# Allegro board WARP7_CPU_REV10_20151109_1600.brd (continued)
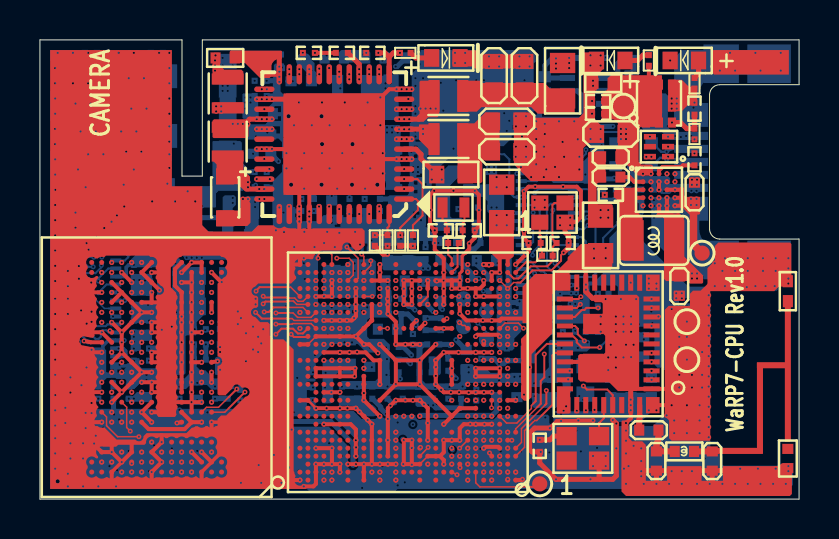
[diagram p0: board, top side]
## Routing (per net, layer and track width the routed paths; a pad name or vN(x,y) marks a point on that pad's centre or on a via; arc(x,y) is an arc through that point) (continued)
  ART02 w0.076: 5.99,9.02 5.91,9.02 5.82,9.11 4.49,9.11 4.34,9.26 4.34,9.94 3.43,10.85 v7(3.09,10.85)
  ART02 w0.102: 5.99,9.02 6.68,9.02 6.83,9.17 6.83,11.46 7.52,12.14 8.26,12.14 10.31,10.08 10.31,9.32 10.57,9.07 10.92,9.07 v7(11.23,9.37)
DRAM_DATA23: length 15.8
  ART02 w0.076: 3.84,12.14 3.84,11.71 3.94,11.61 4.24,11.61 4.34,11.51 4.34,11.25 4.09,11 v7(4.09,10.85)
  ART02 w0.102: 3.84,12.14 3.84,12.47 4.01,12.64 4.01,12.79 3.94,12.85 3.94,13 4.08,13.14 4.23,13.14 4.29,13.07 4.46,13.07 4.58,13.2 4.58,13.36 4.51,13.43 4.51,13.57 4.66,13.72 4.8,13.72 4.87,13.65 5.01,13.65 5.14,13.78 5.14,13.98 5.23,14.07 10.03,14.07 13.01,11.09 v7(13.01,9.35)
DRAM_DATA24: length 17.2
  TOP w0.076: U4.H11 4.34,4.6 4.34,3.58 v7(4.52,3.4)
  ART02 w0.076: v7(4.52,3.4) 4.52,3.2 4.93,2.79 4.93,2.69 5.01,2.61 5.25,2.61 5.35,2.71 5.35,3.05 5.19,3.21 5.19,3.34 5.28,3.43 5.41,3.43 5.84,3 5.84,2.69 5.92,2.61 7.33,2.61 7.41,2.69 7.41,2.84 7.49,2.92 7.72,2.92 7.8,2.84 7.8,2.69 7.88,2.61 8.28,2.61 8.36,2.69 8.36,2.87 8.41,2.92 8.56,2.92 8.64,2.84 8.81,2.84 8.89,2.92 9.35,2.92
  ART02 w0.102: v7(15.01,7.75) 14.73,7.47 14.73,7.29 14.66,7.21 14.05,7.21 13.92,7.09 13.92,6.53 10.54,3.15 9.58,3.15 9.35,2.92
DRAM_DATA25: length 17.2
  ART02 w0.076: v7(15.42,7.75) 15.42,7.75 15.57,7.9 15.57,8.13 15.42,8.28 15.09,8.28 14.8,7.99 13.93,7.99 13.79,7.85 ; 12.45,6.58 12.42,6.61 ; 9.31,3.9 8.98,3.9 8.92,3.84 8.92,3.63 8.85,3.57 7.94,3.57 7.85,3.66 7.85,3.86 7.75,3.96 7.09,3.96 6.91,4.14 6.68,4.14 6.58,4.24 6.58,4.42 6.48,4.52 6.48,4.72 6.4,4.8 6.12,4.8 5.98,4.66 5.78,4.66 5.71,4.6 3.35,4.6 v7(3.09,4.85)
  ART02 w0.102: 12.45,6.58 12.45,5.93 12.02,5.51 11.66,5.51 11.35,5.21 11.35,4.99 10.63,4.27 10.39,4.27 10.26,4.39 9.8,4.39 9.31,3.9 ; 12.42,6.61 12.24,6.78 12.24,6.99 12.34,7.09 13.03,7.09 13.79,7.85
DRAM_DATA26: length 18
  ART02 w0.076: 4.57,1.07 4.54,1.07 4.35,1.25 4.35,2.46 4.14,2.67 3.94,2.67 3.25,3.35 3.25,3.66 3.35,3.76 3.35,3.95 3.49,4.1 4.2,4.1 4.46,4.35 v7(4.59,4.35)
  ART02 w0.102: v7(15.01,6.95) 15.01,6.73 9.35,1.07 4.57,1.07
DRAM_DATA27: length 18.2
  ART02 w0.076: v7(3.59,4.35) arc(3.49,4.32) 3.4,4.27 arc(3.35,4.23) 3.3,4.19 arc(3.28,4.17) 3.26,4.15 arc(3.19,4.12) 3.12,4.11 arc(3.02,4.09) 2.93,4.04 2.91,4.01 arc(2.87,3.95) 2.85,3.87 2.85,3.71 arc(2.89,3.49) 3.02,3.31 3.14,3.18 3.73,2.59 arc(3.81,2.48) 3.84,2.34 3.84,1.32 arc(3.85,1.25) 3.89,1.19
  ART02 w0.102: v7(15.42,6.95) 15.34,6.82 arc(15.25,6.69) 15.15,6.58 9.47,0.9 arc(9.4,0.85) 9.32,0.84 4.6,0.84 arc(4.5,0.85) 4.39,0.88 4.18,0.97 arc(4.07,1.03) 3.98,1.1 3.89,1.19
DRAM_DATA28: length 17.2
  TOP w0.076: v7(4.95,3.12) 3.89,3.12 3.33,3.68 3.33,4.11 U4.G13
  ART02 w0.076: v7(4.95,3.12) 4.95,3.3 4.73,3.52 4.73,3.64 4.82,3.73 4.94,3.73 5.05,3.61 5.51,3.61 5.87,3.25
  ART02 w0.102: 5.87,3.25 5.97,3.15 6.3,3.15 6.4,3.05 6.4,2.9 6.47,2.82 6.71,2.82 6.78,2.9 6.78,3.05 6.86,3.12 9.12,3.12 9.37,3.38 9.73,3.38 9.91,3.56 10.08,3.56 10.26,3.38 10.46,3.38 13.06,5.97 13.06,6.17 12.88,6.34 12.88,6.51 13,6.62 13.16,6.62 13.38,6.4 13.51,6.4 13.64,6.53 13.64,6.68 13.49,6.83 13.49,6.99 13.97,7.47 14.45,7.47 14.61,7.63 v7(14.61,7.75)
DRAM_DATA29: length 17.2
  ART02 w0.076: v7(4.59,3.85) 4.44,3.85 4.37,3.93 4.37,4.01 4.47,4.11 4.7,4.11 4.78,4.19 4.9,4.19 5,4.09 5,3.91 5.13,3.78 5.26,3.78 5.33,3.86 5.33,4.06 5.38,4.11 5.76,4.11
  ART02 w0.102: 5.76,4.11 5.87,4.22 5.87,4.37 5.97,4.47 6.25,4.47 6.35,4.37 6.35,4.17 5.89,3.71 5.89,3.52 6.01,3.4 6.25,3.4 6.3,3.45 6.3,3.62 6.41,3.73 6.57,3.73 6.68,3.62 6.68,3.4 6.76,3.33 7.16,3.33 7.24,3.4 7.24,3.68 7.33,3.77 7.56,3.77 7.66,3.67 7.66,3.44 7.75,3.35 8.94,3.35 9.22,3.63 9.68,3.63 9.78,3.73 9.78,4.06 9.91,4.19 10.08,4.19 10.21,4.06 10.21,3.73 10.29,3.66 10.46,3.66 10.63,3.83 10.63,3.97 10.96,4.31 11.11,4.31 11.56,4.76 11.56,5.08 11.73,5.26 12.06,5.26 12.67,5.88 12.67,6.73 12.78,6.83 13.06,6.83 13.97,7.75 v7(14.22,7.75)
DRAM_DATA30: length 17.3
  ART02 w0.076: 8.83,2.1 5.79,2.1 5.71,2.17 5.71,2.5 5.63,2.59 5.5,2.59 5.41,2.5 5.41,2.17 5.33,2.1 4.97,2.1 4.75,2.31 4.75,2.69 4.24,3.2 4.24,3.45 4.17,3.53 3.89,3.53 3.84,3.58 3.84,3.78 3.9,3.85 v7(4.09,3.85)
  ART02 w0.102: v7(14.22,6.95) 14.22,6.53 10.63,2.95 10.44,2.95 10.34,2.85 10.34,2.63 10.22,2.51 10.1,2.51 10.01,2.61 10.01,2.82 9.9,2.92 9.76,2.92 9.65,2.82 9.65,1.99 9.54,1.88 9.43,1.88 9.27,2.03 9.27,2.63 9.17,2.73 8.99,2.73 8.89,2.63 8.89,2.16 8.83,2.1
DRAM_DATA31: length 17.3
  ART02 w0.076: 7.87,1.6 6.3,1.6 6.22,1.52 6.22,1.33 6.14,1.26 5.99,1.26 5.92,1.33 5.92,1.52 5.84,1.6 4.95,1.6 4.85,1.7 4.85,1.96 4.77,2.03 4.62,2.03 4.56,2.1 4.56,2.61 4.28,2.88 4.05,2.88 3.99,2.95 3.99,3.25 3.91,3.33 3.58,3.33 3.51,3.4 3.51,3.63 3.59,3.72 v7(3.59,3.85)
  ART02 w0.102: 7.87,1.6 7.98,1.5 7.98,1.38 8.09,1.27 8.25,1.27 8.36,1.38 8.36,1.76 8.47,1.88 8.64,1.88 8.75,1.76 8.75,1.37 8.86,1.27 9.06,1.27 9.16,1.37 9.16,1.5 9.26,1.6 9.59,1.6 14.61,6.62 v7(14.61,6.95)
DRAM_DQM0: length 20.8
  TOP w0.076: U3.AH24 14.61,12.23 14.53,12.32 14.02,12.32 13.92,12.22 v2(13.92,12.06)
  ART04 w0.102: v2(4.59,8.35) 4.78,8.17 4.9,8.17 4.98,8.09 4.98,7.98 4.9,7.9 4.27,7.9 4.19,7.98 4.19,8.38 4.37,8.56 4.37,10.19 4.5,10.31 4.63,10.31 4.72,10.41 4.72,10.55 4.63,10.64 4.25,10.64 4.13,10.77 4.13,12.13 4.39,12.4 4.39,12.65 4.55,12.8 4.81,12.8 4.98,12.62 5.21,12.62 5.39,12.8 5.62,12.8 5.8,12.62 6.03,12.62 6.2,12.8 6.43,12.8 6.61,12.62 6.84,12.62 7.02,12.8 7.25,12.8 7.42,12.62 7.65,12.62 7.83,12.8 8.06,12.8 8.24,12.62 8.46,12.62 8.64,12.8 8.81,12.8 8.99,12.62 9.12,12.62 9.3,12.8 9.47,12.8 9.55,12.73 9.55,12.16 9.67,12.04 9.84,12.04 9.96,12.16 9.96,12.7 10.05,12.8 10.19,12.8 10.29,12.7 10.29,12.19 10.41,12.06 v2(13.92,12.06)
DRAM_DQM1: length 23.8
  TOP w0.076: U3.AD20 v2(16.64,10.15)
  ART02 w0.076: v8(5.97,7.59) 5.97,7.6 4.83,7.6 v7(4.59,7.35)
  ART04 w0.076: 12.42,6.68 14.91,6.68 16.48,8.26 16.48,9.43 16.56,9.5 16.69,9.5 16.76,9.58 16.76,9.73 16.69,9.81 16.56,9.81 16.48,9.88 16.48,10 v2(16.64,10.15)
  ART04 w0.102: 12.42,6.68 11.25,6.68 11.23,6.65 10.42,6.65 10.31,6.54 10.31,6.39 10.42,6.27 10.92,6.27 11.07,6.12 11.07,5.49 10.92,5.33 10.69,5.33 10.54,5.49 10.24,5.49 10.08,5.33 9.63,5.33 9.53,5.44 9.53,5.54 9.43,5.64 9.22,5.64 9.12,5.54 9.12,5.44 9.02,5.33 8.82,5.33 8.72,5.44 8.72,5.54 8.61,5.64 8.41,5.64 8.31,5.54 8.31,5.44 8.21,5.33 7.92,5.33 7.75,5.51 7.75,6.48 7.42,6.81 7.42,7.32 7.2,7.53 7.2,8.53 7.05,8.69 6.4,8.69 6.3,8.59 6.3,8.38 6.17,8.26 5.42,8.26 5.28,8.12 5.28,7.93 5.42,7.8 5.87,7.8 5.97,7.7 v8(5.97,7.59)
DRAM_DQM2: length 16.3
  TOP w0.076: U3.AD28 12.55,10.62 12.42,10.62
  TOP w0.102: 12.42,10.62 11,10.62 10.82,10.44 10.82,10.46 10.79,10.43 10.82,10.41 v7(10.82,10.41)
  ART02 w0.076: 5,10.06 4.85,10.2 4.85,10.94 4.7,11.1 4.49,11.1 4.35,10.95 4.35,10.6 v7(4.59,10.35)
  ART02 w0.102: v7(10.82,10.41) 10.57,10.41 9.09,11.9 9.09,12.4 8.92,12.57 6.11,12.57 5.99,12.46 5.99,12.3 6.11,12.19 6.4,12.19 6.55,12.04 6.55,11.84 6.43,11.71 6.43,9.62 6.31,9.5 6.14,9.5 6.02,9.62 6.02,10.02 5.9,10.13 5.73,10.13 5.5,9.9 5.16,9.9 5,10.06
DRAM_DQM3: length 17.2
  ART02 w0.076: v7(4.59,5.35) 4.83,5.6 5.21,5.6 5.33,5.71 5.33,6.48 5.46,6.6 5.75,6.6 5.82,6.68 5.82,7.15 5.91,7.24 6.04,7.24 6.13,7.15 6.13,6.68 6.2,6.6 6.36,6.6 6.43,6.68 6.43,7.33 6.52,7.42 6.65,7.42 6.74,7.33 6.74,6.68 6.81,6.6 7.24,6.6 7.34,6.5 7.34,5.71
  ART02 w0.102: 7.34,5.71 7.34,5.61 7.26,5.54 7.26,4.82 7.49,4.6 7.49,4.6 8.97,4.6 9.58,5.21 9.58,5.74 10.49,6.65 11,6.65 11.25,6.91 11.25,7.29 11.79,7.82 12.65,7.82 13.38,8.55 v7(14.22,8.55)
DRAM_ODT: length 16.5
  ART02 w0.076: v7(4.59,7.85) 4.72,7.98 arc(4.85,8.07) 5.02,8.1 9.04,8.1 arc(9.07,8.1) 9.09,8.11 9.18,8.12 arc(9.19,8.13) 9.21,8.13 9.31,8.13 arc(9.32,8.13) 9.33,8.13 9.45,8.13
  ART02 w0.102: v8(10.87,6.93) 10.25,7.38 9.51,8.13 9.45,8.13
  ART04 w0.076: 14.96,6.99 16.31,8.33 16.31,9.95 arc(16.38,10.31) 16.58,10.62 arc(16.73,10.72) 16.89,10.78 v2(17.82,10.95)
  ART04 w0.102: v8(10.87,6.93) 12.42,6.98 14.96,6.99
DRAM_SDCKE0: length 8.7
  ART02 w0.102: v7(8.59,8.85) 9.33,8.85 9.89,8.29 9.89,8.22 v9(10.26,7.85)
  GND03 w0.102: v9(10.26,7.85) v3(10.01,7.65)
  ART04 w0.102: v2(15.42,8.55) 14.79,7.92 10.29,7.92 v3(10.01,7.65)
  GND08 w0.102: v6(9.54,7.75) v3(10.01,7.65)
DRAM_SDCKE1: length 7.5
  GND03 w0.102: v5(8.59,8.35) v3(8.92,8.51)
  ART04 w0.102: v2(15.01,9.35) 14.45,8.79 9.19,8.79 v3(8.92,8.51)
  GND08 w0.076: v6(9,8.85) v3(8.92,8.51)
  BOTTOM w0.076: R37.1 v6(9,8.85)
DRAM_SDCLK0_N: length 10.5
  ART04 w0.104: v2(14.22,10.95) 14.12,11.05 9.39,11.05 8.88,10.54 7.79,10.54 7.41,10.17 7.41,7.71 7.71,7.41 8.03,7.41 v2(8.09,7.35)
DRAM_SDCLK0_P: length 10.5
  ART04 w0.104: v2(14.22,10.55) 13.92,10.84 9.47,10.84 8.96,10.34 7.87,10.34 7.62,10.08 7.62,8.69 7.77,8.53 7.86,8.53 7.98,8.42 7.98,8.26 7.86,8.15 7.75,8.15 7.62,8.03 7.62,7.8 7.8,7.62 8.03,7.62 8.09,7.69 v2(8.09,7.85)
DRAM_SDQS0_N: length 21.3
  ART04 w0.076: 14.29,11.79 14.3,11.77 14.82,11.77 14.96,11.63 14.96,11.4 v2(15.01,11.35)
  ART04 w0.104: 14.29,11.79 9.55,11.79 8.95,12.38 4.78,12.38 4.44,12.05 4.44,11.14 4.74,10.84 6.13,10.84 6.41,11.13 6.59,11.13 6.68,11.04 6.68,10.3 6.86,10.13 6.86,9.71 6.72,9.58 6.47,9.58 5.98,9.09 5.75,9.09 5.49,9.36 5.49,9.88 5.23,10.14 4.86,10.14 4.6,9.88 4.6,8.71 4.78,8.53 4.91,8.53 v2(5.09,8.35)
DRAM_SDQS0_P: length 21.2
  ART04 w0.076: 14.35,11.58 14.36,11.58 14.37,11.59 14.75,11.59 14.78,11.56 14.78,11.43 14.7,11.35 v2(14.61,11.35)
  ART04 w0.104: 14.35,11.58 9.47,11.58 8.87,12.18 8.71,12.18 8.6,12.07 8.6,11.71 8.5,11.61 8.29,11.61 8.19,11.71 8.19,12.07 8.08,12.18 4.86,12.18 4.65,11.96 4.65,11.23 4.83,11.05 6.05,11.05 6.33,11.33 6.68,11.33 6.89,11.12 6.89,10.39 7.06,10.21 7.06,9.63 6.8,9.37 6.55,9.37 6.07,8.89 5.67,8.89 5.28,9.27 5.28,9.79 5.14,9.93 4.94,9.93 4.8,9.79 4.8,8.8 4.86,8.74 4.98,8.74 v2(5.09,8.85)
DRAM_SDQS1_N: length 24.3
  ART02 w0.076: v7(16.22,9.75) 16.33,9.64 16.48,9.64 16.66,9.46 16.66,8.92 16.71,8.86 16.81,8.86 v8(16.92,8.97)
  ART04 w0.104: v2(5.09,7.35) 4.93,7.19 4.78,7.19 4.57,6.98 4.57,6.37 4.93,6.01 4.93,4.84 5.12,4.65 5.62,4.65 5.84,4.87 5.84,5.87 6.12,6.15 7,6.15 7.09,6.06 7.09,5.59 7.03,5.54 6.63,5.54 6.35,5.26 6.35,4.9 6.61,4.65 11.53,4.65 11.79,4.9 11.79,5.85 11.94,6.01 15.14,6.01 15.68,6.55 15.9,6.55 16.26,6.91 16.26,7.24 16.53,7.52 17.18,7.52 17.38,7.71 17.38,8.66 17.17,8.86 17.02,8.86 v8(16.92,8.97)
DRAM_SDQS1_P: length 24.2
  ART02 w0.076: v8(16.92,8.59) 16.81,8.69 16.64,8.69 16.48,8.85 16.48,9.39 16.4,9.46 16.33,9.46 v7(16.22,9.35)
  ART04 w0.104: v8(16.92,8.59) 16.99,8.66 17.09,8.66 17.17,8.57 17.17,8.41 17.07,8.31 16.89,8.31 16.81,8.23 16.81,8.08 16.89,8 17.12,8 17.17,7.95 17.17,7.8 17.09,7.72 16.45,7.72 16.05,7.32 16.05,6.99 15.81,6.76 15.6,6.76 15.05,6.21 11.85,6.21 11.58,5.94 11.58,4.99 11.44,4.85 6.69,4.85 6.55,4.99 6.55,5.17 6.71,5.33 7.11,5.33 7.29,5.51 7.29,6.14 7.08,6.35 6.04,6.35 5.64,5.95 5.64,4.96 5.53,4.85 5.21,4.85 5.13,4.93 5.13,6.05 5.43,6.35 5.43,6.48 5.34,6.58 5.2,6.58 4.98,6.35 4.88,6.35 4.78,6.45 4.78,6.9 4.86,6.98 4.96,6.98 v2(5.09,6.85)
DRAM_SDQS2_N: length 16.2
  TOP w0.076: U3.AD27 13.17,9.91 12.92,9.91 12.75,10.07 12.47,10.07 12.44,10.1 12.42,10.1
  TOP w0.104: v7(11.18,10.16) 11.24,10.1 12.42,10.1
  ART02 w0.104: v7(11.18,10.16) 11.18,10.3 11.27,10.39 11.39,10.39 11.48,10.3 11.48,10.13 11.58,10.04 11.76,10.04 11.86,10.13 11.86,10.61 11.5,10.97 11.33,10.97 11.07,10.72 10.71,10.72 10.44,10.99 10.44,11.31 10.65,11.53 10.65,11.75 10.5,11.9 10.28,11.9 10.08,11.7 9.7,11.7 9.42,11.98 9.42,12.36 9.6,12.54 9.6,12.69 9.44,12.85 5.97,12.85 5.74,12.62 5.74,12.12 6.2,11.66 6.2,11.05 5.8,10.65 5.26,10.65 5.09,10.48 v7(5.09,10.35)
DRAM_SDQS2_P: length 16.2
  TOP w0.076: U3.AC27 13.41,9.75 12.85,9.75 12.69,9.92 12.47,9.92 12.44,9.89 12.42,9.89
  TOP w0.104: v7(11.18,9.78) 11.29,9.89 12.42,9.89
  ART02 w0.104: v7(11.18,9.78) 11.23,9.83 11.85,9.83 12.06,10.05 12.06,10.69 11.58,11.18 11.24,11.18 10.99,10.92 10.8,10.92 10.64,11.07 10.64,11.23 10.86,11.44 10.86,11.83 10.59,12.11 10.2,12.11 10,11.91 9.78,11.91 9.63,12.06 9.63,12.28 9.81,12.46 9.81,12.77 9.52,13.06 5.88,13.06 5.53,12.71 5.53,12.03 5.99,11.57 5.99,11.14 5.71,10.85 v7(5.09,10.85)
DRAM_SDQS3_N: length 17.7
  ART02 w0.076: 13.79,8.33 13.82,8.31 14.67,8.31 14.73,8.37 14.73,8.43 v7(14.61,8.55)
  ART02 w0.104: 13.79,8.33 13.62,8.33 13.42,8.14 13.3,8.14 13.13,7.98 13.13,7.85 12.83,7.54 11.93,7.54 11.58,7.2 11.58,6.8 12,6.38 12,6.16 11.82,5.98 11.6,5.98 11.18,6.4 10.64,6.4 10.36,6.12 10.36,5.68 10.56,5.48 10.76,5.48 10.9,5.35 10.9,5.21 10.53,4.84 10.38,4.84 10.16,5.05 9.78,5.05 9.09,4.37 7.26,4.37 6.99,4.65 6.99,5.46 6.81,5.64 6.81,6.17 6.6,6.38 6.09,6.38 5.89,6.17 5.89,5.19 5.76,5.06 5.28,5.06 5.09,5.25 v7(5.09,5.35)
DRAM_SDQS3_P: length 17.7
  ART02 w0.076: 13.79,8.13 13.82,8.15 14.73,8.15 14.88,8.31 14.88,8.42 v7(15.01,8.55)
  ART02 w0.104: 13.79,8.13 13.7,8.13 12.91,7.34 12.01,7.34 11.79,7.11 11.79,6.88 11.94,6.73 12.08,6.59 12.21,6.46 12.21,6.08 11.9,5.77 11.52,5.77 11.09,6.2 10.73,6.2 10.57,6.04 10.57,5.76 10.64,5.69 10.85,5.69 11.1,5.43 11.1,5.12 10.61,4.63 10.29,4.63 10.07,4.85 9.86,4.85 9.18,4.16 7.18,4.16 6.78,4.56 6.78,5.38 6.6,5.55 6.6,6.09 6.52,6.17 6.18,6.17 6.1,6.09 6.1,5.11 5.84,4.85 v7(5.09,4.85)
DRAM_VDD1: length 22.5
  TOP w0.203: U4.F4 U4.G5 ; U4.F4 v5(8.09,3.85) ; U4.F4 7.24,3.51 5.44,3.51 U4.F9 ; v5(7.09,11.35) v5(7.59,11.85) U4.AB3 U4.AA3
  GND03 w0.203: v5(8.09,3.85) 8.09,3.85 v3(7.85,3.61)
  GND03 w0.254: v5(7.09,11.35) v3(7.42,11.35) ; v5(7.59,11.85) v3(7.85,11.61)
  ART04 w0.254: v2(5.09,11.85) 7.6,11.85 v3(7.85,11.61)
  POWER07 w0.381: v3(7.85,11.61) 8.53,11.61 9.91,10.24 9.91,8.64 11.15,7.39 11.15,5.44 10.74,5.03 v10(8.76,5.03) 7.85,4.11 v3(7.85,3.61)
  BOTTOM w0.254: C116.1 C115.1
  vias: v10(7.34,12.09) v10(7.59,12.09) v10(7.85,12.09) v10(8.1,12.09)
I2C1_SCL: length 33
  GND03 w0.076: v5(31.39,16.29) v3(31.06,16.41)
  GND03 w0.102: v3(16.71,14.02) v5(16.48,14.28)
  ART04 w0.076: 26.42,5.92 26.42,5.84 26.11,5.54 25.81,5.54 25.65,5.69 25.25,5.69 24.87,5.31 23.27,5.31 22.82,5.75 v2(22.61,5.75)
  ART04 w0.102: v3(28.07,14.12) 28.63,13.56 28.63,12.5 29.36,11.76 29.36,8.31 28.73,7.67 28.73,6.91 28.3,6.48 26.82,6.48 26.42,6.07 26.42,5.92
  GND08 w0.102: v4(16.99,13.74) v3(16.71,14.02) ; v4(30.81,16.21) v3(31.06,16.41) ; v4(28.42,14.12) v3(28.07,14.12)
  ART09 w0.102: v4(16.99,13.74) 18.82,13.74 19.18,13.39 22.96,13.39 23.1,13.24 24.27,13.24 24.61,13.59 27.01,13.59 27.16,13.44 27.74,13.44 v4(28.42,14.12) 28.7,14.4 28.7,15.38 v6(28.83,15.51) 29.55,16.23 30.56,16.23 v4(30.81,16.21)
I2C1_SDA: length 34.7
  GND03 w0.076: v5(31.79,16.29) v3(32.13,16.38)
  GND03 w0.102: v5(15.98,14.28) v3(16.13,13.97)
  ART04 w0.076: v2(22.22,5.75) 22.46,5.99 22.81,5.99 23.34,5.46 24.79,5.46 25.53,6.2 26.09,6.2
  ART04 w0.102: 26.09,6.2 26.24,6.2 26.72,6.68 28.19,6.68 28.52,7.01 28.52,7.77 29.13,8.38 29.13,11.66 28.42,12.37 28.42,13.13 v3(28.07,13.49)
  GND08 w0.102: v4(31.85,16.18) v3(32.13,16.38) ; v3(28.07,13.49) v4(28.42,13.49) ; v3(16.13,13.97) v4(16.33,13.69)
  ART09 w0.102: v4(16.33,13.69) 16.56,13.46 18.69,13.46 19.02,13.13 20.24,13.13 20.73,12.65 21.18,12.65 21.72,13.18 22.81,13.18 22.99,13 24.41,13 24.79,13.39 26.92,13.39 27.08,13.23 28.17,13.23 v4(28.42,13.49) 28.51,13.58 28.51,13.8 28.96,14.25 28.96,14.99 29.46,15.49 v6(29.46,15.51) 29.46,15.73 29.79,16.05 30.28,16.05 30.43,15.9 31.57,15.9 v4(31.85,16.18)
I2C2_SCL: length 60.1
  ART04 w0.076: v2(21.82,5.75) 22.06,5.51 22.79,5.51 23.14,5.16 26.29,5.16 26.52,5.38 26.57,5.38
  ART04 w0.102: 26.57,5.38 27.36,5.38 27.69,5.71 28.63,5.71 29.44,6.53 29.44,8.05 29.57,8.18 29.57,11.86 28.83,12.6 28.83,13.69 28.42,14.1 28.42,14.96 27.15,16.23 v3(26.62,16.23)
  GND08 w0.102: v4(26.29,16.13) v3(26.62,16.23)
  ART09 w0.102: v1(3.81,17.02) 3.81,16.38 4.09,16.1 4.09,14.37 4.61,13.84 6.86,13.84 7.98,14.96 8.39,14.96 9.04,15.61 9.04,19.27 10.25,20.47 11.96,20.47 12.12,20.32 14.07,20.32 14.38,20.02 20.57,20.02 25.17,15.42 25.17,14.83 v6(24.69,14.35) 24.84,14.2 25.8,14.2 26.29,14.69 v4(26.29,16.13)
  BOTTOM w0.102: v1(3.81,17.02) 2.67,17.02 2.41,17.28 J6.18 ; v6(24.69,14.35) 24.69,12.88 24.53,12.72 J3.14
I2C2_SDA: length 61.3
  ART04 w0.076: 26.57,5.08 26.47,4.98 23,4.98 22.63,5.34 21.82,5.34 v2(21.41,5.75)
  ART04 w0.102: v3(26.24,16.61) 27.08,16.61 28.63,15.06 28.63,14.22 29.03,13.82 29.03,12.7 29.77,11.96 29.77,8.03 29.67,7.92 29.67,6.45 28.68,5.46 27.81,5.46 27.51,5.16 26.64,5.16 26.57,5.08
  GND08 w0.102: v4(25.96,16.38) v3(26.24,16.61)
  ART09 w0.102: v1(4.19,16.64) 4.37,16.46 4.37,14.51 4.75,14.12 6.83,14.12 7.89,15.18 8.21,15.18 8.81,15.78 8.81,19.33 10.16,20.68 12.17,20.68 12.29,20.55 14.22,20.55 14.53,20.24 20.68,20.24 25.45,15.47 25.45,14.71 v6(25.68,14.48) 25.96,14.76 v4(25.96,16.38)
  BOTTOM w0.102: v6(25.68,14.48) 25.68,14.35 25.6,14.27 25.6,13 25.89,12.72 J3.13 ; J6.20 2.01,17.07 2.44,16.64 v1(4.19,16.64)
I2C3_SCL: length 15.8
  ART02 w0.076: v8(24.41,8.89) 23.27,8.89 22.91,9.25 22.12,9.25 21.49,8.61 21.49,7.28 v7(21.82,6.95)
  ART04 w0.102: v3(24.13,14.61) 24.49,14.25 24.49,12.75 24.03,12.3 24.03,9.8 24.13,9.7 24.13,9.17 v8(24.41,8.89)
  GND08 w0.102: v3(24.13,14.61) v4(24.38,14.86)
  ART09 w0.102: v1(24.77,15.34) v4(24.38,14.86)
  BOTTOM w0.102: v1(24.77,15.34) 24.95,15.52 J3.27 27.56,15.52 27.58,15.51 R28.1
I2C3_SDA: length 15.7
  ART02 w0.076: v8(24.41,9.27) 24.21,9.07 23.34,9.07 22.97,9.44 22.07,9.44 21.29,8.66 21.29,7.08 v7(21.41,6.95)
  ART04 w0.102: v3(23.75,15.11) 24.13,15.11 24.69,14.55 24.69,12.55 24.21,12.06 24.21,10.13 24.41,9.93 v8(24.41,9.27)
  GND08 w0.102: v6(24.1,15.12) v3(23.75,15.11)
  BOTTOM w0.102: v6(24.1,15.12) 23.74,15.12 23.5,15.37 23.5,17.02 23.24,17.27 R29.1
I2C4_SCL: length 40.8
  ART04 w0.076: v2(22.22,6.95) 23.04,7.77 24.66,7.77 v3(24.89,8)
  ART04 w0.102: v3(3.3,16.13) 4.01,16.84 5.44,16.84 5.97,16.31 5.97,15.8 6.2,15.57 9.14,15.57 9.88,16.31 10.39,16.31 10.74,16.66 11.15,16.66 11.58,17.09 23.11,17.09 26.29,13.92 26.29,10.9 26.95,10.24 26.95,9.03 26.79,8.86 25.76,8.86 v3(24.89,8)
  GND08 w0.102: v4(3.21,15.75) v3(3.3,16.13) ; v6(24.54,8.46) v3(24.89,8)
  ART09 w0.102: v1(3.79,13.55) 3.68,13.55 2.62,14.62 2.62,14.88 2.84,15.11 2.84,15.38 v4(3.21,15.75)
I2C4_SDA: length 42.6
  ART04 w0.076: v2(22.61,6.95) 23.28,7.62 24.84,7.62
  ART04 w0.102: v3(2.54,15.62) 2.54,15.87 3.74,17.07 5.56,17.07 6.2,16.43 6.2,15.93 6.35,15.77 9.04,15.77 9.8,16.54 10.18,16.54 10.52,16.87 10.52,17.15 10.75,17.39 13.21,17.39 13.28,17.32 23.19,17.32 26.49,14.02 26.49,11 27.15,10.34 27.15,8.94 26.87,8.66 26.16,8.66 v3(25.5,8) 25.12,7.62 24.84,7.62
  GND08 w0.102: v4(2.54,15.24) v3(2.54,15.62) ; v6(26.16,8.36) 25.97,8.26 v3(25.5,8)
  ART09 w0.102: v1(2.41,13.55) 2.41,15.11 v4(2.54,15.24)
  BOTTOM w0.102: J2.7 v1(2.41,13.55)
JTAG_MOD: length 5.7
  ART04 w0.102: v2(23.82,9.35) 23.82,12.74 24.13,13.06 v3(24.13,13.97)
  GND08 w0.102: v6(23.72,14.33) v3(24.13,13.97)
  BOTTOM w0.102: J3.22 23.77,14.33 v6(23.72,14.33)
JTAG_TCK: length 11.9
  ART02 w0.076: v7(23.82,10.15) 23.92,10.15 24.41,10.64
  ART02 w0.102: v9(27.79,15.14) 27.56,15.14 27.36,14.94 27.36,13.44 27.25,13.34 27.25,12.6 25.76,11.1 24.87,11.1 24.41,10.64
  GND03 w0.102: v9(27.79,15.14) v3(27.51,15.34)
  GND08 w0.102: v4(27.28,15.06) v3(27.51,15.34)
  ART09 w0.102: v1(24.1,13.52) 24.36,13.79 26.01,13.79 v4(27.28,15.06)
JTAG_TDI: length 9.3
  ART02 w0.076: 24.41,10.03 24.13,9.75 v7(23.41,9.75)
  ART02 w0.102: 24.41,10.03 25.04,10.67 25.96,10.67 26.89,11.6 26.99,11.6 v9(27.18,11.79)
  GND03 w0.102: v3(26.85,11.61) v9(27.18,11.79)
  GND08 w0.102: v3(26.85,11.61) 27.06,11.82 27.32,11.82 v6(27.81,12.32)
  BOTTOM w0.102: J3.21 27.07,14.32 27.15,14.4 27.52,14.4 27.81,14.11 v6(27.81,12.32)
JTAG_TDO: length 10.2
  ART02 w0.076: 24.41,10.95 24.01,10.55 v7(23.82,10.55)
  ART02 w0.102: v9(27,15.37) 27.15,15.21 27.15,13.59 27,13.44 27,12.65 25.65,11.3 24.77,11.3 24.41,10.95
  GND03 w0.102: v9(27,15.37) v3(27.13,15.72)
  GND08 w0.102: v4(27.46,15.82) v3(27.13,15.72)
  ART09 w0.102: v1(27.41,14.12) 27.56,14.27 27.56,15.72 v4(27.46,15.82)
  BOTTOM w0.102: J3.19 27.21,13.92 v1(27.41,14.12)
JTAG_TMS: length 10.5
  ART02 w0.076: v7(23.41,10.15) 23.66,9.91 23.98,9.91 24.41,10.34
  ART02 w0.102: 24.41,10.34 24.97,10.9 25.86,10.9 27.46,12.5 27.46,13.18 27.66,13.39 v9(27.66,14.71)
  GND03 w0.102: v9(27.66,14.71) v3(28.07,14.66)
  GND08 w0.102: v4(28.42,14.66) v3(28.07,14.66)
  ART09 w0.102: v4(28.42,14.66) 27.48,13.72 v1(27.43,13.72)
  BOTTOM w0.102: J3.17 27.24,13.52 v1(27.43,13.72)
JTAG_TRST_B: length 8.5
  ART02 w0.076: v7(23.41,9.35) 23.66,9.6 24.28,9.6 24.41,9.73
  ART02 w0.102: 24.41,9.73 25.1,10.41 26.01,10.41 26.95,11.35 v9(27.33,11.35)
  GND03 w0.102: v3(27,11.07) v9(27.33,11.35)
  GND08 w0.102: v3(27,11.07) 26.71,11.23 26.49,11.46 26.49,11.79 27.03,12.32 v6(27.33,12.32)
  BOTTOM w0.102: v6(27.33,12.32) 27.33,12.9 27.11,13.12 J3.15
LCD_BK_CTL: length 65.2
  ART04 w0.076: v2(21.41,2.15) 21.66,1.91 21.97,1.91 22.2,1.68 23.63,1.68 23.82,1.86
  ART04 w0.102: v3(13.34,20.32) 18.29,20.32 18.95,19.66 27.03,19.66 28.24,18.44 28.24,17.3 29.92,15.62 29.92,14.88 30.35,14.45 30.35,13.16 31.04,12.47 31.04,8.53 31.47,8.1 31.47,4.72 28.79,2.03 23.98,2.03 23.82,1.86
  GND08 w0.102: v3(13.34,20.32) v4(13.34,19.96)
  ART09 w0.102: v4(13.34,19.96) 13.59,19.71 13.59,18.21 13.18,17.81 13.18,15.65 12.67,15.14 12.67,14.43 12.13,13.88 11.57,13.88 10.16,12.47 9.83,12.47 7.75,10.39 4.45,10.39 4,10.83 3.42,10.83 3.05,11.2 2.69,11.2 2.34,11.56 2.34,12.75 2.69,13.11 v1(2.69,13.95)
  BOTTOM w0.102: v1(2.69,13.95) J2.5
LICELL: length 0.4
  GND08 w0.254: v6(10.79,15.72) v3(11.02,15.37)
  vias: v5(10.98,15.03) v5(11.23,15.03)
MCLK: length 6.7
  ART09 w0.102: v1(5.06,15.75) 4.85,15.95 4.85,17.3 5.33,17.78 5.33,18.92 3.21,21.05 v1(3.21,21.32)
MIPI_CSI_CLK_N: length 34.4
  GND03 w0.076: v5(17.82,1.35) v3(17.48,1.3)
  GND08 w0.076: v4(17.14,1.22) v3(17.48,1.3)
  ART09 w0.104: v1(3.21,18.05) 3.32,18.16 3.32,18.25 3.19,18.39 2.95,18.39 2.67,18.11 2.67,17.62 2.77,17.52 3.13,17.52 3.25,17.39 3.25,17.22 3.13,17.1 2.77,17.1 2.67,16.99 2.67,16.66 1.65,15.65 1.65,10.54 3.45,8.74 3.45,6.86 3.94,6.38 4.47,6.38 6.78,4.06 7.23,4.06 7.43,4.27 7.95,4.27 8.26,3.96 8.62,3.96 8.76,4.1 8.76,4.25 9.09,4.57 9.64,4.57 9.96,4.25 9.96,3.78 10.16,3.58 10.74,3.58 10.94,3.78 10.94,4.48 11.32,4.85 12.01,4.85 12.34,4.53 12.34,3.72 12.55,3.51 14.58,3.51 15.41,2.67 15.64,2.67 15.82,2.49 15.82,2.26 16.38,1.7 16.56,1.7 16.87,1.39 16.87,1.21 16.96,1.12 17.04,1.12 v4(17.14,1.22)
MIPI_CSI_CLK_P: length 34.4
  GND03 w0.076: v5(17.82,0.95) v3(17.48,0.77)
  GND08 w0.076: v4(17.14,0.85) v3(17.48,0.77)
  ART09 w0.104: v1(3.61,18.05) 3.53,18.13 3.53,18.34 3.27,18.6 2.86,18.6 2.46,18.2 2.46,16.75 1.45,15.73 1.45,10.46 3.25,8.65 3.25,6.77 3.85,6.17 4.39,6.17 6.7,3.86 7.31,3.86 7.52,4.06 7.86,4.06 8.17,3.76 8.71,3.76 8.97,4.02 8.97,4.17 9.17,4.37 9.55,4.37 9.75,4.17 9.75,3.7 10.08,3.38 10.83,3.38 11.15,3.7 11.15,4.39 11.4,4.65 11.93,4.65 12.13,4.45 12.13,3.63 12.46,3.3 14.49,3.3 16.3,1.5 16.48,1.5 16.66,1.31 16.66,1.12 16.87,0.91 17.08,0.91 v4(17.14,0.85)
MIPI_CSI_D0_N: length 35
  GND03 w0.076: v5(17.01,1.35) v3(16.69,1.3)
  GND08 w0.076: v4(16.36,1.22) v3(16.69,1.3)
  ART09 w0.104: v4(16.36,1.22) 16.3,1.17 15.7,1.17 14.15,2.72 8.63,2.72 8.28,3.07 6.05,3.07 4.62,4.5 4.14,4.5 2.92,5.71 2.92,8.43 1.07,10.29 1.07,16.78 1.91,17.62 1.91,18.71 2.5,19.3 2.79,19.3 2.97,19.13 3.25,19.13 3.43,19.3 3.89,19.3 4.04,19.15 4.04,19.05 3.78,18.79 3.78,18.65 3.87,18.56 4,18.56 4.24,18.8 4.39,18.8 4.6,18.59 4.6,18.24 v1(4.41,18.05)
MIPI_CSI_D0_P: length 35
  GND03 w0.076: v5(17.01,0.95) v3(16.69,0.77)
  GND08 w0.076: v4(16.36,0.85) v3(16.69,0.77)
  ART09 w0.104: v4(16.36,0.85) 16.24,0.96 15.61,0.96 14.06,2.51 8.55,2.51 8.2,2.87 5.96,2.87 4.54,4.29 4.05,4.29 2.72,5.63 2.72,8.35 0.86,10.2 0.86,16.86 1.7,17.7 1.7,18.79 2.42,19.51 3.97,19.51 4.81,18.67 v1(4.81,18.05)
MIPI_DSI_CLK_N: length 20.5
  GND03 w0.076: v5(14.61,1.35) v3(14.94,1.3)
  GND08 w0.104: v4(14.61,1.22) v3(14.94,1.3)
  ART09 w0.076: v1(2.41,7.87) 2.41,7.87
  ART09 w0.104: v4(14.61,1.22) 14.51,1.12 14.44,1.12 14.35,1.21 14.35,1.57 14.02,1.91 7.04,1.91 6.68,2.26 5.64,2.26 4.57,3.33 4.17,3.33 2.59,4.9 2.59,5.26 2.29,5.56 2.29,7.75 2.41,7.87
  BOTTOM w0.104: v1(2.41,7.87) 2.16,8.13 2.16,8.31 2.31,8.46 2.54,8.46 2.67,8.33 2.67,8.14 2.78,8.03 2.94,8.03 3.05,8.14 3.05,8.36 3.15,8.46 3.33,8.46 3.44,8.35 J2.34
MIPI_DSI_CLK_P: length 20.5
  GND03 w0.076: v5(14.61,0.95) v3(14.94,0.77)
  GND08 w0.104: v4(14.61,0.85) v3(14.94,0.77)
  ART09 w0.104: v4(14.61,0.85) 14.55,0.91 14.35,0.91 14.15,1.12 14.15,1.49 13.94,1.7 6.95,1.7 6.59,2.05 5.55,2.05 4.49,3.12 4.08,3.12 2.39,4.82 2.39,5.17 2.08,5.47 2.08,7.74 v1(1.95,7.87)
  BOTTOM w0.104: J2.32 3.38,8.75 3.29,8.66 2.22,8.66 1.95,8.39 v1(1.95,7.87)
MIPI_DSI_D0_N: length 20.1
  GND03 w0.076: v5(14.22,1.35) v3(13.89,1.3)
  GND08 w0.104: v4(13.56,1.22) v3(13.89,1.3)
  ART09 w0.104: v4(13.56,1.22) 13.48,1.14 7.7,1.14 7.57,1.02 5.03,1.02 3.81,2.24 3.81,2.54 1.07,5.28 1.07,5.82 1.17,5.93 1.55,5.93 1.68,6.05 1.68,6.22 1.55,6.34 1.17,6.34 1.07,6.45 1.07,9.03 v1(1.19,9.15)
MIPI_DSI_D0_P: length 19.9
  GND03 w0.076: v5(14.22,0.95) v3(13.89,0.77)
  GND08 w0.104: v4(13.56,0.85) v3(13.89,0.77)
  ART09 w0.104: v1(1.04,9.55) 0.86,9.37 0.86,5.2 3.6,2.45 3.6,2.15 4.94,0.81 7.65,0.81 7.78,0.94 13.47,0.94 v4(13.56,0.85)
